# Altium PCB Copy of KaRadioWired.PcbDoc (part 3 of 3)
Units mm, origin at the board's own origin, x right, y up, seen from the top; angles counter-clockwise.
Board outline 90 x 70 mm, 4 copper layers (Top Layer, Signal Layer 1, Signal Layer 2, Bottom Layer), stack 1.49 mm thick; 271 components, 157 nets, 818 pads, 370 vias.
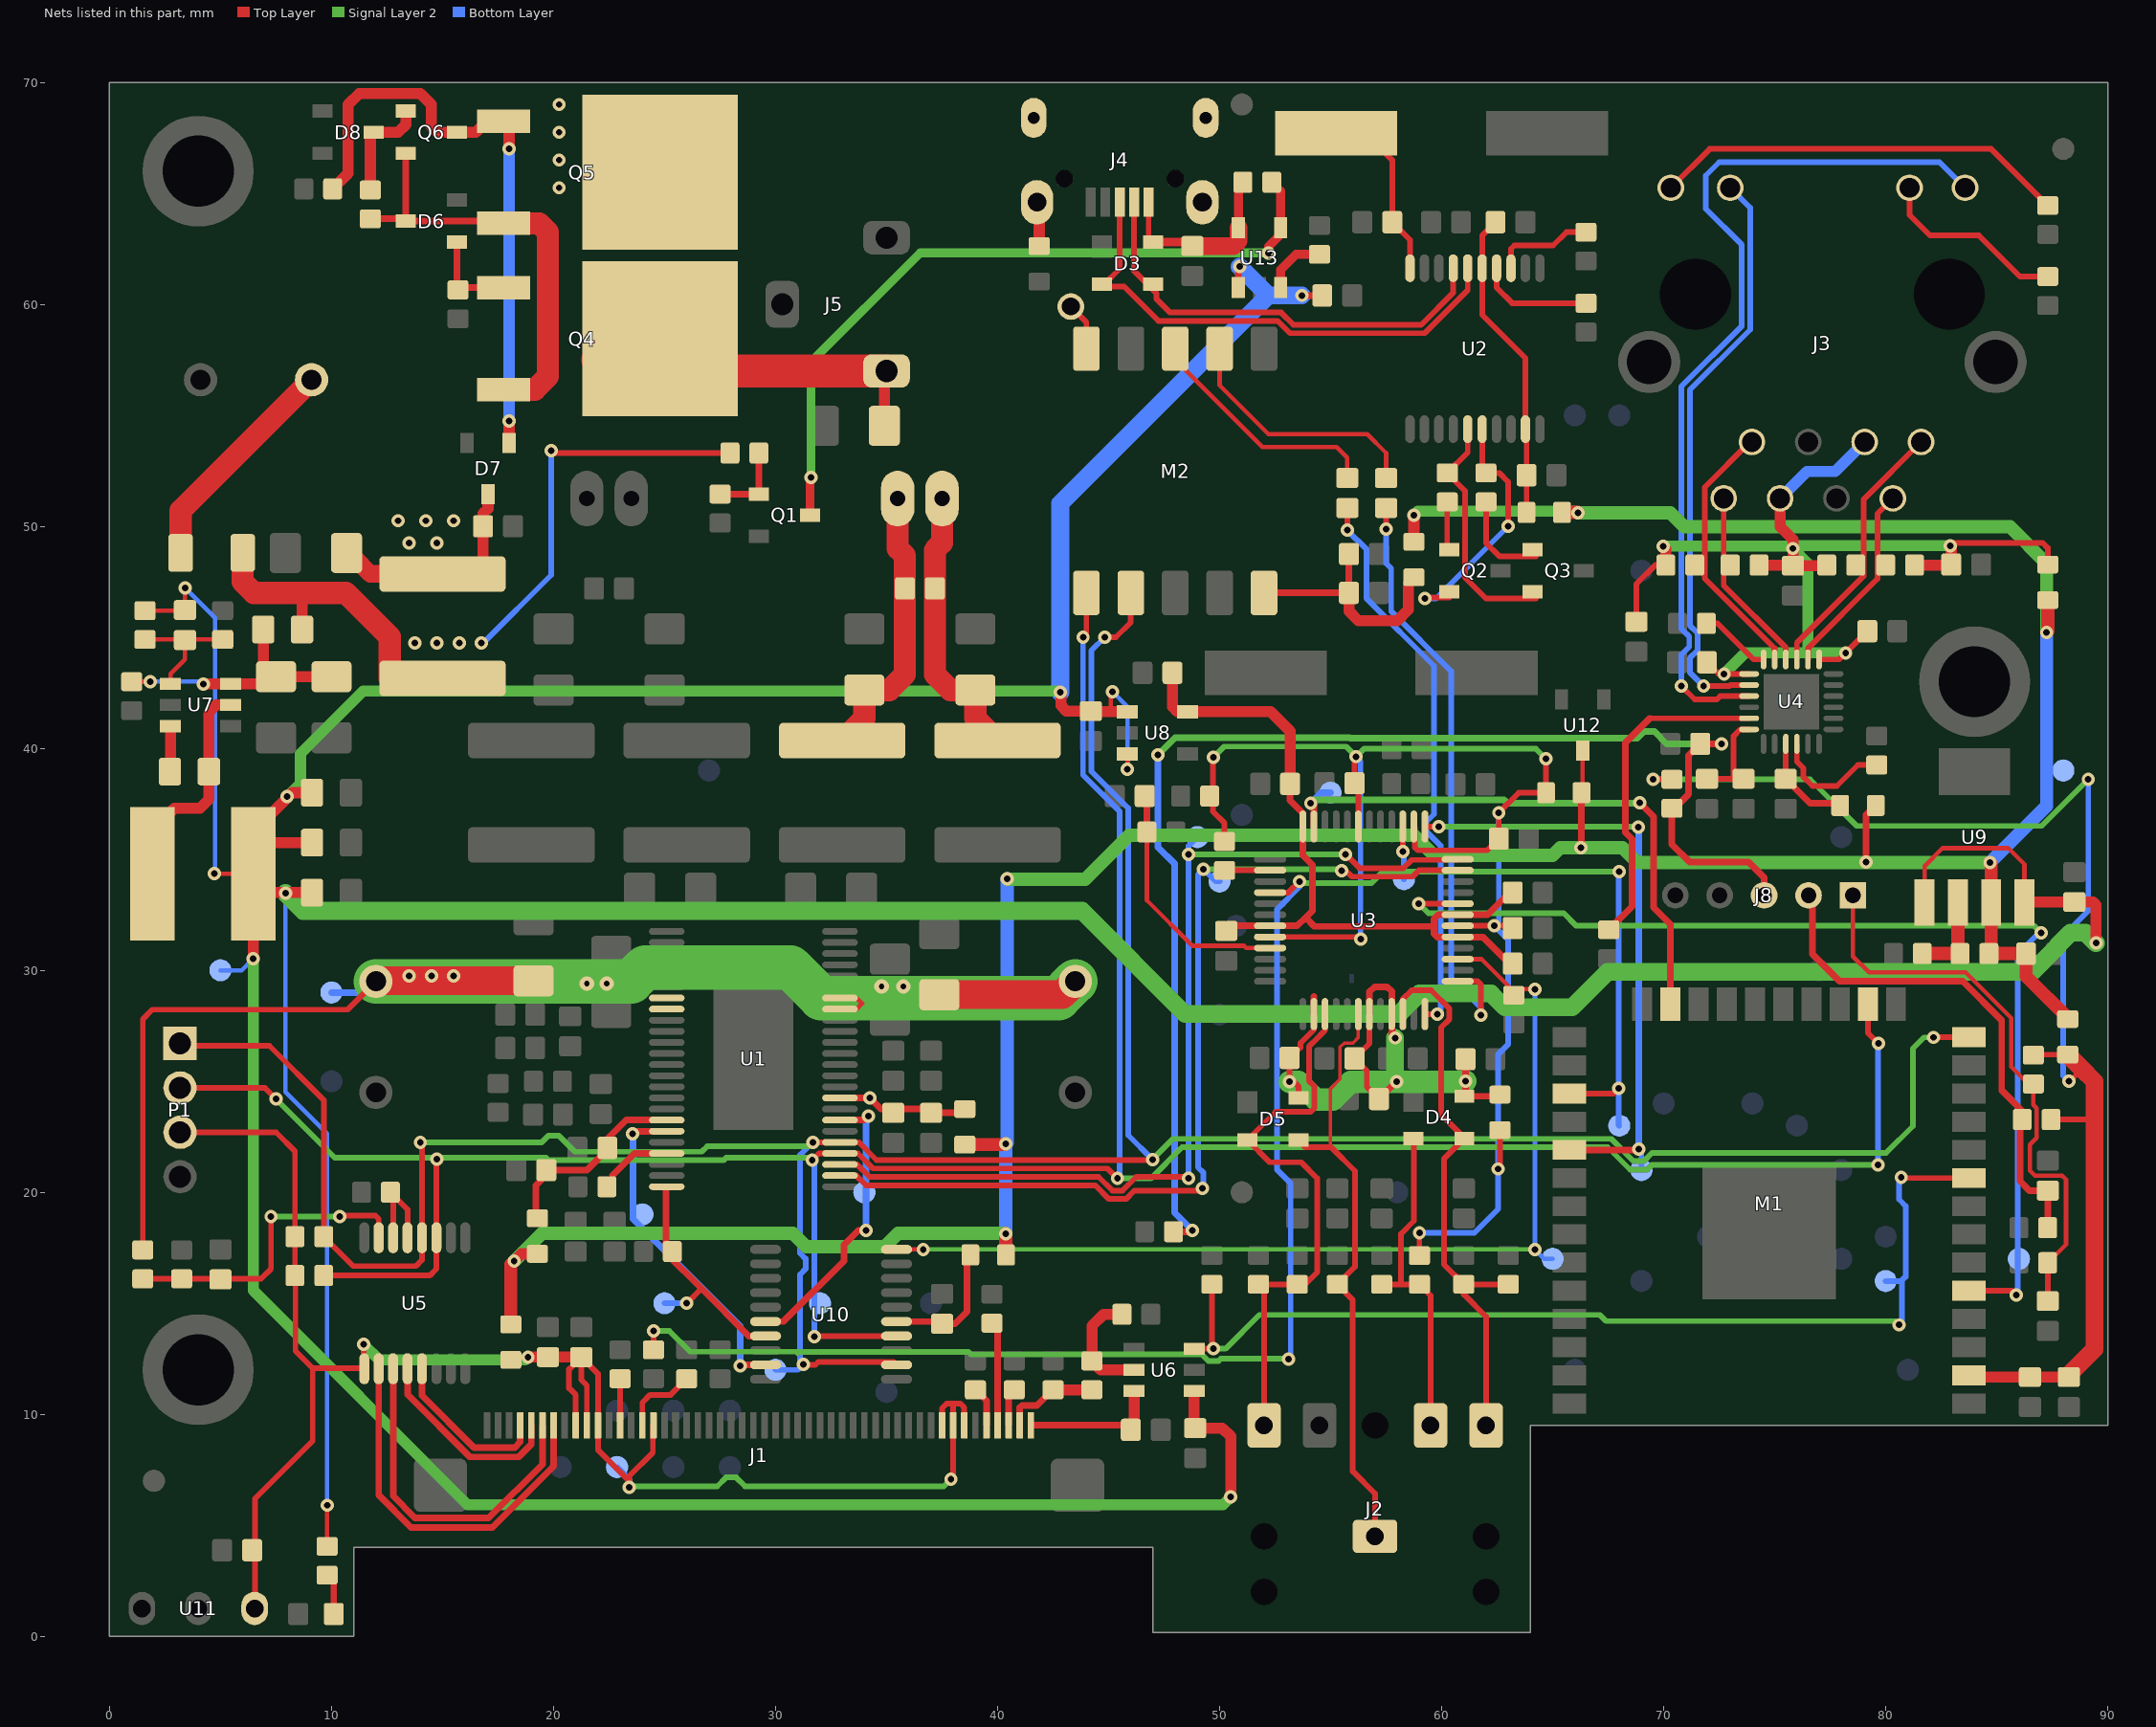
[diagram p5: the nets of this part, all layers, seen from the top]

## Via types
v1: diameter 0.6, hole 0.3, Top Layer to Bottom Layer, tented top, 185 vias
v2: diameter 0.6, hole 0.3, Top Layer to Bottom Layer, tented both sides, 142 vias
v3: diameter 0.5, hole 0.2, Top Layer to Bottom Layer, tented top, 22 vias
v4: diameter 0.65, hole 0.25, Top Layer to Bottom Layer, tented both sides, 21 vias

## Nets (pads, with @x,y where several pads share a name; then routed paths per layer and width w, separated by ;. In a path a pad name is that pad's centre, name@x,y a point inside that pad or via, vN(x,y) a via of type N, cw(c..) or ccw(c..) an arc to the next point about the centre after c; other vN are vias at no path point) (continued)
NetC34_2: C34.2 C82.2 J7.1 L3.2 | length 12.9
  Top Layer w1: L3.2@33,40.35 34,41.35 C34.2@34,42.625 35.125,42.625 35.825,43.325 C82.2@35.825,47.2 35.825,48.675 35.5,49 J7.1@35.5,51.25
NetC35_2: C35.2 C82.1 J7.2 L4.2 | length 12.9
  Top Layer w1: J7.2@37.5,51.25 37.5,49.25 37.175,48.925 C82.1@37.175,47.2 37.175,43.325 37.875,42.625 C35.2@39,42.625 39,41.35 L4.2@40,40.35
NetC36_1: C36.1 C37.2 U4.6 | length 4.4
  Top Layer w0.254: C37.2@71.95,38.625 C36.1@73.152,38.625 ; C36.1@73.6,38.625 C36.1@73.152,38.625 ; U4.6@73.85,40.85 73.45,40.85 73.152,40.552 C36.1@73.152,38.625
NetC38_2: C38.2 U2.10 Y2.2 | length 8.2
  Top Layer w0.254: Y2.2@55.25,67.7 56.575,67.7 57.775,66.5 C38.2@57.775,63.7 58.575,62.9 U2.10@58.575,61.625
NetC62_1: C62.1 M2.8 | length 11
  Top Layer w0.2: M2.8@48,58 48,57.5 51.925,53.575 55.275,53.575 55.75,53.1 C62.1@55.75,52.175
NetC62_2: C62.2 U3.48 | length 25.4
  Top Layer w0.254: v2(55.75,49.825) C62.2@55.75,50.825 ; U3.48@59.25,28.025 v2(59.8,28.025)
  Bottom Layer w0.254: v2(55.75,49.825) 56.623,48.952 56.623,46.741 59.652,43.712 59.652,37.033 59.323,36.704 59.323,36.246 59.952,35.617 59.952,28.177 v2(59.8,28.025)
NetC63_1: C63.1 M2.7 | length 11.5
  Top Layer w0.2: M2.7@50,58 50,56.35 52.2,54.15 56.65,54.15 57.5,53.3 C63.1@57.5,52.175
NetC63_2: C63.2 U3.1 | length 27.1
  Top Layer w0.254: v2(57.5,49.875) C63.2@57.5,50.825 ; U3.1@60.725,29.5 61.625,29.5 61.775,29.35 v2(61.775,27.975)
  Bottom Layer w0.254: v2(57.5,49.875) 57.5,48.331 57.727,48.104 57.727,47.646 57.725,47.644 57.725,46.175 60.425,43.475 60.425,36.706 60.427,36.704 60.427,36.246 60.425,36.244 60.425,29.65 61.775,28.3 v2(61.775,27.975)
NetC67_1: C67.1 U7.6 | length 2.1
  Top Layer w0.5: C67.1@2.725,38.95 2.75,38.975 U7.6@2.75,41
NetC67_2: C67.2 L5.1 U7.2 | length 10.1
  Top Layer w0.5: L5.1@1.925,34.35 1.925,36.3 2.925,37.3 4.075,37.3 4.475,37.7 C67.2@4.475,38.95 4.475,41.625 4.8,41.95 U7.2@5.45,41.95
NetC71_2: C71.2 C72.2 L6.2 R43.2 U7.3 | length 11.7
  Top Layer w0.2: R43.2@1,43 1.75,43 1.753,43.003 v1(1.828,43.003) v1@1.947,43.003
  Top Layer w0.5: v1(4.225,42.9) U7.3@5.45,42.9 7.175,42.9 C71.2@7.5,43.225 ; L6.2@6.925,45.35 6.925,43.8 C71.2@7.5,43.225 ; C72.2@10,43.225 C71.2@7.5,43.225
  Bottom Layer w0.2: v1(1.828,43.003) 4.122,43.003 v1(4.225,42.9)
NetC73_1: C73.1 R39.1 R40.2 U7.4 | length 5.8
  Top Layer w0.2: R39.1@1.6,44.9 C73.1@3.4,44.9 ; U7.4@2.75,42.9 2.75,43.35 3.4,44 C73.1@3.4,44.875 C73.1@3.4,44.9 ; R40.2@5.1,44.9 C73.1@3.4,44.9
NetC79_1: C79.1 R54.1 | length 10.2
  Top Layer w1: R54.1@3.2,48.8 3.2,50.7 C79.1@9.1,56.6
NetC83_2: C83.2 J8.1 R44.1 R47.2 | length 26.2
  Top Layer w0.2: J8.1@78.525,33.375 78.525,30.625 79.25,29.9 83.6,29.9 85.65,27.85 85.65,25.65 86.425,24.875 R44.1@86.65,24.875 86.65,23.931 86.8,23.781 86.8,22.45 86.5,22.15 86.5,20.975 86.725,20.75 87.95,20.75 88.125,20.575 88.125,17.65 R47.2@87.3,16.825
  Top Layer w0.254: C83.2@87.3,15.1 R47.2@87.3,16.825
NetC84_2: C84.2 J8.2 R45.1 R48.2 | length 23.3
  Top Layer w0.3: J8.2@76.525,33.375 76.7,33.2 76.7,30.725 77.92,29.505 81.029,29.505 81.034,29.5 83.47,29.5 85.225,27.745 85.225,24.6 86.15,23.675 R45.1@86.15,23.275 86.05,23.175 86.05,20.5 86.475,20.075 C84.2@87.3,20.075 R48.2@87.3,18.4
NetC85_2: C85.2 J8.3 R46.1 R49.2 | length 60.6
  Top Layer w0.3: R49.2@47.925,18.225 48.725,18.225 v2(48.775,18.275) ; v2(72.6,40.2) C85.2@71.65,40.2 71.125,39.675 71.125,37.925 70.5,37.3 R46.1@70.375,37.3 70.375,35.675 71.175,34.875 73.825,34.875 74.525,34.175 J8.3@74.525,33.375
  Signal Layer 2 w0.3: v2(47.225,39.7) 48.004,40.479 55.865,40.479 55.894,40.45 68.812,40.45 69.112,40.75 69.588,40.75 70.138,40.2 v2(72.6,40.2)
  Bottom Layer w0.3: v2(47.225,39.7) 47.225,35.55 47.975,34.8 47.975,19.075 v2(48.775,18.275)
NetC87_2: C87.2 R55.1 R56.2 U5.15 | length 14.1
  Top Layer w0.25: R55.1@1.5,16.1 6.825,16.1 7.275,16.55 v1(7.275,18.9) ; v1(10.378,18.902) 10.426,18.95 11.975,18.95 12.125,18.8 U5.15@12.125,17.95
  Signal Layer 2 w0.25: v1(7.275,18.9) 7.277,18.902 v1(10.378,18.902)
NetC89_2: C89.2 R58.2 U3.33 | length 11.2
  Top Layer w0.2: R58.2@46.725,36.225 46.725,33.15 48.775,31.1 51.1,31.1 51.2,31 U3.33@52.275,31
  Top Layer w0.3: C89.2@46.625,37.85 46.725,37.75 R58.2@46.725,36.225
NetD1_2: D1.2 R53.1 | length 1.9
  Top Layer w0.3: R53.1@9.8,2.75 10.1,2.45 D1.2@10.1,1
NetD3_2: D3.2 J4.3 U2.6 | length 23.3
  Top Layer w0.254: J4.3@45.5,64.6 45.5,61.6 44.8,60.9 D3.2@44.7,60.9 44.8,60.8 45.7,60.8 47.248,59.252 52.617,59.252 53.169,58.7 59.236,58.7 61.175,60.639 U2.6@61.175,61.625
NetD3_3: D3.3 J4.2 U2.7 | length 20.3
  Top Layer w0.254: J4.2@46.15,64.6 46.15,61.5 47.15,60.5 47.15,60.25 47.769,59.631 52.774,59.631 53.326,59.079 59.079,59.079 60.525,60.525 U2.7@60.525,61.625
NetD4_2: D4.2 J2.4 R4.1 R5.2 | length 15.1
  Top Layer w0.254: R5.2@57.3,15.85 58.175,15.85 ; D4.2@58.75,22.425 58.752,22.423 58.752,18.708 58.175,18.131 58.175,15.85 ; J2.4@59.5,9.5 59.5,15.35 R4.1@59,15.85 58.175,15.85
NetD4_3: D4.3 J2.2 R8.2 R9.1 U3.46 | length 25.8
  Top Layer w0.254: U3.46@58.25,28.025 58.25,28.7 58.65,29.1 59.525,29.1 60.352,28.273 60.352,27.796 59.975,27.419 59.975,23.5 61.025,22.45 D4.3@61.025,22.425 60.1,21.5 60.1,16.75 R8.2@61,15.85 ; J2.2@62,9.5 62,14.4 61,15.4 R8.2@61,15.85 ; R9.1@63,15.85 R8.2@61,15.85
NetD5_2: D5.2 J2.3 R7.2 R10.1 U3.39 | length 25.7
  Top Layer w0.254: J2.3@52,9.5 52,15.6 R10.1@51.75,15.85 R7.2@53.5,15.85 53.85,15.85 54.4,16.4 54.4,20.625 53.675,21.35 52.25,21.35 D5.2@51.25,22.35 52.525,23.625 54.1,23.625 54.275,23.8 54.275,24.769 54.023,25.021 54.023,26.563 54.406,26.946 54.407,26.946 54.629,27.168 54.629,27.169 54.75,27.29 U3.39@54.75,28.025
NetD5_3: D5.3 J2.1 R6.2 U3.42 | length 27.3
  Top Layer w0.15: 55,22.056 55,24.668 55.425,25.093 55.425,26.542 55.608,26.725 56,26.725 56.25,26.975 U3.42@56.25,28.025
  Top Layer w0.254: D5.3@53.55,22.35 53.875,22.025 55.031,22.025 56.1,20.956 56.1,16.65 R6.2@55.3,15.85 56,15.15 56,7.425 57,6.425 J2.1@57,4.5
NetD6_1: D6.1 Q4.1 R34.2 | length 4.1
  Top Layer w0.3: R34.2@15.65,61.05 D6.1@15.65,62.8 ; R34.2@15.7,60.65 15.8,60.75 Q4.1@17.75,60.75 Q4.1@17.6,60.6
NetD6_3: D6.3 Q4.3 Q5.3 Q6.2 R33.2 | length 20
  Top Layer w0.3: R33.2@11.75,63.85 13.25,63.85 D6.3@13.35,63.75 ; Q6.2@13.35,66.8 D6.3@13.35,63.75 ; Q5.3@17.75,63.65 17.65,63.75 D6.3@13.35,63.75
  Top Layer w1: Q4.3@17.75,56.15 19.15,56.15 19.75,56.75 19.75,63.25 19.35,63.65 Q5.3@17.75,63.65
NetD7_1: D7.1 Q5.1 Q6.3 R35.2 | length 27.5
  Top Layer w0.5: R35.2@10,65.15 10.75,65.9 10.75,69 11.25,69.5 14,69.5 14.5,69 14.5,68 14.75,67.75 Q6.3@15.65,67.75 16.5,67.75 17,68.25 Q5.1@17.75,68.25 18,68 v1(18,67) ; D7.1@18,53.75 v1(18,54.75)
  Bottom Layer w0.5: v1(18,54.75) v1(18,67)
NetD8_3: D8.3 Q6.1 R33.1 | length 4.9
  Top Layer w0.5: R33.1@11.75,65.15 11.75,67.6 D8.3@11.9,67.75 13,67.75 13.35,68.1 Q6.1@13.35,68.7
NetJ1_2: J1.2 R18.2 R22.2 | length 4.4
  Top Layer w0.3: J1.2@41,9.5 41,10.3 41.1,10.4 41.775,10.4 42.475,11.1 R18.2@42.5,11.1
  Top Layer w0.5: R18.2@42.5,11.1 R22.2@44.25,11.1
NetJ1_3: J1.3 R19.2 | length 1.7
  Top Layer w0.3: J1.3@40.5,9.5 40.5,10.85 R19.2@40.75,11.1
NetJ1_4: J1.4 R20.2 | length 4.7
  Top Layer w0.3: R20.2@39.75,14.1 40,13.85 J1.4@40,9.5
NetJ1_5: J1.5 R21.2 | length 1.8
  Top Layer w0.3: R21.2@39,11.1 39.5,10.6 J1.5@39.5,9.5
NetJ1_36: J1.36 R29.2 | length 3.5
  Top Layer w0.254: J1.36@24,9.5 24,10.525 24.35,10.875 25.275,10.875 R29.2@26,11.6
NetJ1_38: J1.38 R32.2 | length 2.1
  Top Layer w0.254: J1.38@23,9.5 R32.2@23,11.6
NetJ1_44: J1.44 U5.2 | length 17.2
  Top Layer w0.3: U5.2@12.125,12.05 12.125,6.361 13.586,4.9 17.251,4.9 20,7.649 J1.44@20,9.5
NetJ1_45: J1.45 U5.3 | length 15.6
  Top Layer w0.3: U5.3@12.775,12.05 12.775,6.312 13.762,5.325 17.075,5.325 19.5,7.75 J1.45@19.5,9.5
NetJ1_46: J1.46 U5.4 | length 9
  Top Layer w0.3: U5.4@13.425,12.05 13.425,10.888 16.238,8.075 18.426,8.075 19,8.649 J1.46@19,9.5
NetJ1_47: J1.47 U5.5 | length 7.5
  Top Layer w0.3: U5.5@14.075,12.05 14.075,10.839 16.414,8.5 18.25,8.5 18.5,8.75 J1.47@18.5,9.5
NetJ3_1: J3.1 R15.1 U4.21 | length 12.1
  Top Layer w0.254: U4.21@76,44 76,44.75 79,47.75 79,51.205 J3.1@81.595,53.8
NetJ3_2: J3.2 R16.1 U4.20 | length 8.8
  Top Layer w0.254: U4.20@76.5,44 76.5,44.5 79.629,47.629 79.629,50.564 J3.2@80.325,51.26
NetJ3_7: J3.7 R13.1 U4.23 | length 12
  Top Layer w0.254: J3.7@73.975,53.8 73.893,53.8 71.853,51.76 71.853,47.647 75,44.5 U4.23@75,44
NetJ3_8: J3.8 R14.1 U4.22 | length 8.4
  Top Layer w0.254: J3.8@72.705,51.26 72.705,47.331 75.5,44.536 U4.22@75.5,44
NetJ3_9: J3.9 U4.3 | length 40.9
  Top Layer w0.254: v1(70.8,42.8) 71.4,42.2 72.4,42.2 72.55,42.35 U4.3@73.85,42.35
  Bottom Layer w0.254: v1(70.8,42.8) 70.8,44.219 71.152,44.571 71.152,45.029 70.8,45.381 70.8,56.3 73.521,59.021 73.521,62.679 71.9,64.3 71.9,65.8 72.5,66.4 82.425,66.4 J3.9@83.575,65.25
NetJ3_10: J3.10 R63.2 | length 8.6
  Top Layer w0.254: J3.10@81.075,65.25 81.075,64.025 82,63.1 84.2,63.1 86.05,61.25 R63.2@87.3,61.25
NetJ3_11: J3.11 U4.2 | length 26.6
  Top Layer w0.254: v1(71.8,42.8) 71.802,42.798 72.954,42.798 73.006,42.85 U4.2@73.85,42.85
  Bottom Layer w0.254: v1(71.8,42.8) 71.179,43.421 71.179,44.062 71.531,44.414 71.531,45.186 71.179,45.538 71.179,56.143 73.9,58.864 73.9,64.35 J3.11@73,65.25
NetJ3_12: J3.12 R64.2 | length 18.8
  Top Layer w0.254: J3.12@70.325,65.25 72.075,67 84.75,67 R64.2@87.3,64.45
NetJ4_Shell: J4.Shell L18.1 | length 2
  Top Layer w0.5: J4.Shell@41.775,64.6 41.875,64.5 L18.1@41.875,62.625
NetM2_10: M2.10 P2.1 | length 2.2
  Top Layer w0.254: P2.1@43.3,59.9 44,59.2 M2.10@44,58
NetQ1_1: Q1.1 R60.1 R62.1 | length 3.6
  Top Layer w0.3: R62.1@27.5,51.45 Q1.1@29.25,51.45 R60.1@29.25,53.3
NetQ1_3: Q1.3 R59.1 U13.4 | length 33.2
  Top Layer w0.4: Q1.3@31.55,50.5 31.55,52.15 v1(31.6,52.2) ; v1(52.2,62.3) 52.2,62.6 52.75,63.15 U13.4@52.75,63.45 52.75,65.1 R59.1@52.35,65.5
  Signal Layer 2 w0.4: v1(31.6,52.2) 31.6,57.4 36.525,62.325 52.175,62.325 v1(52.2,62.3)
NetQ2_1: Q2.1 R26.1 | length 2.3
  Top Layer w0.254: Q2.1@60.25,48.8 R26.1@60.25,51.1
NetQ2_2: Q2.2 R27.2 U2.16 | length 11.4
  Top Layer w0.254: v1(59.25,46.75) 59.3,46.8 Q2.2@60.35,46.8 ; U2.16@61.825,54.375 61.825,52.575 R27.2@62,52.4 62.6,52.4 63,52 v1(63,50)
  Bottom Layer w0.254: v1(59.25,46.75) 59.75,46.75 v1(63,50)
NetQ3_1: Q3.1 R27.1 | length 4.3
  Top Layer w0.254: R27.1@62,51.1 62,49.25 62.6,48.65 64.25,48.65
NetQ3_2: Q3.2 R26.2 U2.15 | length 11
  Top Layer w0.254: U2.15@61.175,54.375 61.175,53.325 R26.2@60.25,52.4 61.052,51.598 61.052,47.698 62,46.75 64.25,46.75
NetR3_2: R3.2 U1.21 | length 2.9
  Top Layer w0.3: 22.65,20.75 23.65,21.75 U1.21@25.1,21.75
NetR12_1: R12.1 U3.26 | length 2.1
  Top Layer w0.254: R12.1@50.225,34.5 U3.26@52.275,34.5
NetR17_2: R17.2 U4.24 | length 3.2
  Top Layer w0.254: R17.2@71.925,45.625 72.425,45.625 74.05,44 U4.24@74.5,44
NetR22_1: R22.1 R23.2 U6.5 | length 5.2
  Top Layer w0.5: R23.2@45.6,14.5 44.775,14.5 44.25,13.975 R22.1@44.25,12.4 44.65,12 U6.5@46.15,12
NetR24_1: R24.1 U2.3 | length 4.6
  Top Layer w0.254: U2.3@63.125,61.625 63.125,62.5 63.275,62.65 65.025,62.65 65.625,63.25 R24.1@66.5,63.25
NetR25_1: R25.1 U2.4 | length 5.2
  Top Layer w0.254: U2.4@62.475,61.625 62.475,60.75 63.175,60.05 R25.1@66.5,60.05
NetR31_2: R31.2 U4.5 | length 15
  Top Layer w0.25: 69.375,41.35 U4.5@73.85,41.35
  Top Layer w0.3: R31.2@67.525,31.825 68.575,32.875 68.575,35.912 68.275,36.212 68.275,40.25 69.375,41.35
NetR36_1: R36.1 U5.13 U5.14 | length 4.3
  Top Layer w0.254: R36.1@12.65,20 R36.1@12.775,19.875 ; U5.14@12.775,17.95 R36.1@12.775,19.875 ; U5.13@13.425,17.95 13.425,19.225 R36.1@12.775,19.875
NetR41_1: R41.1 R42.2 U9.2 | length 4
  Top Layer w0.6: R42.2@81.65,30.75 R41.1@83.35,30.75 83.25,30.85 U9.2@83.25,33.05
NetR61_2: R61.2 U13.3 | length 2.8
  Top Layer w0.4: U13.3@52.75,60.75 52.75,61.55 53.45,62.25 R61.2@54.5,62.25
NetR65_2: R65.2 U4.10 | length 5.5
  Top Layer w0.254: U4.10@76,40.2 76,39.4 76.3,39.1 76.3,38.7 76.7,38.3 77.8,38.3 78.75,39.25 R65.2@79.6,39.25
NetTP1_1: TP1.1 U3.15 | length 2.4
  Top Layer w0.254: v2(58.25,35.35) U3.15@58.25,36.475
  Bottom Layer w0.254: v2(58.25,35.35) 58.3,35.3 TP1.1@58.3,34.1
PWM_LCD: M1.9 R52.2 TP17.1 U6.3 | length 46.2
  Top Layer w0.254: U6.3@48.85,12.95 v1(49.725,12.95) 49.65,13.025 R52.2@49.65,15.85 ; v2(80.7,20.675) 80.735,20.64 M1.9@83.75,20.64
  Signal Layer 2 w0.254: v1(49.725,12.95) 50.267,12.95 51.794,14.477 67.129,14.477 67.408,14.198 80.427,14.198 v1(80.6,14.025)
  Bottom Layer w0.254: TP17.1@80,16 80.702,16 80.898,16.196 80.898,19.383 80.6,19.681 80.6,20.575 v2(80.7,20.675) ; v1(80.6,14.025) 80.727,14.152 80.727,15.975
SCL: M1.14 M2.2 P1.1 R37.1 TP9.1 U1.29 U5.12 U10.2 | length 143.8
  Top Layer w0.254: P1.1@3.175,26.7 3.275,26.6 7.2,26.6 9.65,24.15 R37.1@9.65,18 10.975,16.675 13.8,16.675 14.075,16.95 U5.12@14.075,17.95 14.075,22.175 v1(14,22.25) ; v1(31.25,12.25) 31.275,12.225 31.794,12.225 31.921,12.352 35.323,12.352 U10.2@35.45,12.225 ; v1(31.675,22.25) U1.29@32.9,22.25 33.75,22.25 34.55,21.45 46.95,21.45 v1(46.975,21.475) ; v1(44.825,45) 45.325,45 46,45.675 M2.2@46,47 ; v2(82.15,26.975) 82.165,26.99 M1.14@83.75,26.99
  Signal Layer 2 w0.254: v1(14,22.25) 19.469,22.25 19.771,22.552 20.229,22.552 20.958,21.823 26.679,21.823 26.929,22.073 31.498,22.073 v1(31.675,22.25) ; v1(46.975,21.475) 47.906,22.406 67.638,22.406 68.646,21.398 69.104,21.398 69.485,21.779 80.025,21.779 81.225,22.979 81.225,26.475 81.725,26.975 v2(82.15,26.975)
  Bottom Layer w0.254: TP9.1@30,12 31,12 v1(31.25,12.25) 31.098,12.402 31.098,16.292 31.352,16.546 31.352,17.004 31.098,17.258 31.098,21.679 31.669,22.25 v1(31.675,22.25) ; v1(44.825,45) 44.229,44.404 44.229,38.957 45.881,37.305 45.881,22.569 v1(46.975,21.475)
SCLK: TP7.1 U1.26 U3.11 | length 44.3
  Top Layer w0.254: U1.26@32.9,20.75 33.636,20.75 34.073,20.313 44.395,20.313 45.014,19.694 45.786,19.694 46.165,20.073 49.123,20.073 v1(49.225,20.175) ; v1@55.497,34.478 v1(55.505,34.478) 55.505,34.48 55.6,34.575 55.956,34.219 58.694,34.219 58.975,34.5 U3.11@60.725,34.5
  Signal Layer 2 w0.254: v1(49.275,34.55) 49.277,34.552 55.431,34.552 v1(55.505,34.478)
  Bottom Layer w0.254: v1(49.225,20.175) 49.275,20.225 49.275,20.875 49.025,21.125 49.025,34.3 v1(49.275,34.55) 49.825,34 TP7.1@50,34
SDA: M1.16 M2.1 P1.2 R38.1 TP10.1 U1.28 U5.11 U10.4 | length 136.1
  Top Layer w0.254: P1.2@3.175,24.7 7,24.7 v2(7.5,24.2) ; R38.1@9.65,16.25 14.425,16.25 14.725,16.55 U5.11@14.725,17.95 14.725,21.475 v1(14.75,21.5) ; v1(31.65,21.45) 31.898,21.698 31.904,21.698 31.956,21.75 U1.28@32.9,21.75 33.711,21.75 34.39,21.071 44.954,21.071 v1(45.4,20.625) ; v1(31.75,13.5) 31.775,13.525 U10.4@35.45,13.525 ; v1(43.85,45) 44,45.15 M2.1@44,47 ; M1.16@79.195,28.48 79.195,27.18 v2(79.675,26.7)
  Signal Layer 2 w0.254: v2(7.5,24.2) 10.148,21.552 19.667,21.552 19.775,21.444 27.663,21.444 27.771,21.552 31.548,21.552 v1(31.65,21.45) ; v1(45.4,20.625) 46.906,20.625 48.308,22.027 67.481,22.027 68.489,21.019 69.261,21.019 69.469,21.227 v2(79.657,21.227)
  Bottom Layer w0.254: v1(31.65,21.45) 31.75,21.35 v1(31.75,13.5) ; v1(43.85,45) 43.85,38.8 45.502,37.148 45.502,20.727 v1(45.4,20.625) ; v2(79.657,21.227) 79.657,26.682 v2(79.675,26.7)
SDATA: TP8.1 U1.27 U3.12 | length 44.6
  Top Layer w0.254: U1.27@32.9,21.25 33.675,21.25 34.233,20.692 44.552,20.692 45.171,20.073 45.629,20.073 46.248,20.692 48.533,20.692 v1(48.6,20.625) ; v1(55.675,35.225) 56.302,34.598 58.279,34.598 58.652,34.971 60.696,34.971 U3.12@60.725,35
  Signal Layer 2 w0.254: v1(48.6,35.225) v1(55.675,35.225)
  Bottom Layer w0.254: v1(48.6,20.625) v1(48.6,35.225) 48.6,35.6 TP8.1@49,36
SPI_SCLK: M1.27 R30.1 TP14.1 U3.28 | length 82.3
  Top Layer w0.254: R30.1@24.5,12.9 v1(24.5,13.75) ; U3.28@52.275,33.5 53.1,33.5 v1(53.6,34) ; M1.27@65.75,24.45 67.75,24.45 v1(67.975,24.675)
  Signal Layer 2 w0.254: v1(24.5,13.75) 25.219,13.75 26.15,12.819 30.931,12.819 30.985,12.765 31.021,12.802 38.692,12.802 38.796,12.698 49.196,12.698 49.496,12.398 49.954,12.398 50.056,12.5 53.1,12.5 v1(53.1,12.475) ; v1(53.6,34) 53.674,33.926 56.84,33.926 57.364,34.45 v1(68,34.45)
  Bottom Layer w0.254: v1@53.119,12.475 53.202,12.558 53.202,20.404 52.594,21.012 52.594,32.75 53.6,33.756 v1(53.6,34) ; TP14.1@68,23 67.975,23.025 v1(67.975,24.675) 67.975,34.425 v1(68,34.45)
TAS_nFAULT: TP3.1 U1.19 U10.19 | length 15.2
  Top Layer w0.3: v2(23.55,22.625) 23.675,22.75 U1.19@25.1,22.75 ; v2(28.4,12.175) 28.45,12.225 U10.19@29.55,12.225
  Bottom Layer w0.3: v2(23.55,22.625) 23.575,22.6 23.575,18.8 28.4,13.975 v2(28.4,12.175)
TAS_nPDN: R50.1 TP4.1 U1.24 U10.17 | length 11
  Top Layer w0.254: v1(26,15) 26.65,15.65 26.675,15.65
  Top Layer w0.3: U1.24@25.1,20.25 25.075,20.225 25.075,17.25 26.675,15.65 28.8,13.525 U10.17@29.55,13.525
  Bottom Layer w0.254: TP4.1@25,15 v1(26,15)
TAS_nRST: TP2.1 U1.31 U10.16 | length 13.2
  Top Layer w0.3: U10.16@29.55,14.175 30.344,14.175 33.075,16.906 33.075,17.625 33.725,18.275 v2(34.075,18.275) ; U1.31@32.9,23.25 34,23.25 v2(34.175,23.425)
  Bottom Layer w0.3: v2(34.075,18.275) 34.075,23.325 v2(34.175,23.425)
VCC_1V8_VS: C52.2 C53.2 C54.2 C55.2 C75.2 U3.5 U3.7 U3.24 U3.31 U8.5 | length 34.8
  Top Layer w0.3: C54.2@50.3,31.775 50.525,32 U3.31@52.275,32 53.5,32 53.875,32.375 ; C55.2@53.175,38.4 53.175,37.645 53.75,37.07 U3.24@53.75,36.475 53.75,35.175 54.175,34.75 54.175,32.675 53.875,32.375 ; C53.2@63.2,30.3 63.05,30.3 61.85,31.5 U3.5@60.725,31.5 59.8,31.5 59.65,31.65 59.65,31.975 ; C52.2@63.2,33.5 63.062,33.5 62.062,32.5 U3.7@60.725,32.5 59.85,32.5 59.65,32.3 59.65,31.975 ; 53.875,32.375 54.275,31.975 59.65,31.975
  Top Layer w0.5: C75.2@47.875,43.4 47.875,41.875 48.1,41.65 U8.5@48.55,41.65 52.3,41.65 53.175,40.775 C55.2@53.175,38.4
VCC_3V3: C78.2 L8.1 L10.1 L11.1 L12.1 L13.1 L14.1 L15.1 L16.1 L17.1 L19.1 R41.2 TP18.1 U9.3 U12.3 | length 156.2
  Top Layer w0.2: L14.1@66.3,38 66.35,38.05 U12.3@66.35,39.9
  Top Layer w0.3: v2(66.275,35.525) 66.3,35.55 L14.1@66.3,38 ; v2(79.125,34.875) 79.125,37 L17.1@79.55,37.425
  Top Layer w0.5: v2@18.075,16.75 v2(18.225,16.9) 18.55,17.225 L8.1@19.275,17.225 ; L19.1@58.75,49.3 v1(58.75,50.5)
  Top Layer w0.6: L10.1@18.075,14.05 v2@18.075,16.75 ; L13.1@38.525,22.15 40.35,22.15 v2(40.375,22.175) ; L11.1@40.375,17.175 v2(40.375,18.125) ; L15.1@65.425,50.625 66.125,50.625 v2(66.15,50.6) ; v2(84.7,34.85) 84.75,34.8 U9.3@84.75,33.05 84.75,30.85 R41.2@84.65,30.75 C78.2@86.325,30.75 86.325,29.725 L12.1@88.25,27.8 ; v2(87.25,45.225) 87.3,45.275 L16.1@87.3,46.675
  Signal Layer 2 w0.5: v1(58.75,50.5) 58.925,50.675 66.075,50.675 v2(66.15,50.6)
  Signal Layer 2 w0.6: v2(18.225,16.9) 19.475,18.15 30.775,18.15 31.375,17.55 34.925,17.55 35.525,18.15 40.35,18.15 v2(40.375,18.125) ; v2(40.425,34.125) 40.45,34.1 43.95,34.1 45.925,36.075 58.75,36.075 59.65,35.175 65,35.175 65.35,35.525 v2(66.275,35.525) 68.15,35.525 68.825,34.85 v2(84.7,34.85) ; v2(66.15,50.6) 70.3,50.6 70.925,49.975 85.6,49.975 87.25,48.325 v2(87.25,45.225)
  Bottom Layer w0.6: v2(40.375,18.125) v2(40.375,22.175) 40.425,22.225 v2(40.425,34.125) ; v2(84.7,34.85) 87.25,37.4 v2(87.25,45.225)
VCC_3V3_ETH: C43.1 L17.2 U4.9 | length 4.5
  Top Layer w0.254: C43.1@75.5,38.625 U4.9@75.5,40.2
  Top Layer w0.3: C43.1@75.5,38.625 76.6,37.525 77.85,37.525 L17.2@77.95,37.425
VCC_3V3_ETHA: C31.1 C44.2 C45.1 C46.1 C47.1 J3.3 J3.6 L16.2 R13.2 R14.2 R15.2 R16.2 U4.1 U4.19 | length 52
  Top Layer w0.254: C44.2@68.775,45.7 68.775,47.4 69.625,48.25 R13.2@70.1,48.25 ; C46.1@71.95,43.875 72.475,43.35 v2(72.725,43.35) U4.1@73.85,43.35 ; U4.19@77,44 77.9,44 v2(78.2,44.3) C45.1@79.175,45.275 ; v2(82.9,49.125) 83.025,49.25 87.075,49.25 87.3,49.025 L16.2@87.3,48.275
  Top Layer w0.5: v2(69.975,49.1) 70.1,48.975 R13.2@70.1,48.25 ; R14.2@74.3,48.25 75.8,48.25 C31.1@75.825,48.225 ; J3.6@75.245,51.26 75.245,49.98 75.825,49.4 v2(75.825,49) C31.1@75.825,48.225 ; R15.2@77.35,48.25 77.325,48.225 C31.1@75.825,48.225 ; R16.2@81.3,48.25 82.925,48.25 C47.1@82.95,48.275 82.95,49.075 v2(82.9,49.125)
  Signal Layer 2 w0.5: v2(69.975,49.1) 75.725,49.1 v2(75.825,49) ; v2(72.725,43.35) 73.675,44.3 76.5,44.3 ; v2(78.2,44.3) 76.5,44.3 ; v2(82.9,49.125) 75.95,49.125 v2(75.825,49) ; v2(75.825,49) 76.5,48.325 76.5,44.3
  Bottom Layer w0.5: J3.6@75.245,51.26 76.46,52.475 77.73,52.475 J3.3@79.055,53.8
VCC_3V3_TAS: C9.2 C10.2 L13.2 U1.33 | length 5.9
  Top Layer w0.3: U1.33@32.9,24.25 v1(34.25,24.25) 34.75,23.75 C10.2@37,23.75 ; C10.2@37,23.575 38.35,23.575 L13.2@38.525,23.75
VCC_3V3_TEA: C60.2 C61.2 L19.2 M2.5 | length 11
  Top Layer w0.3: M2.5@52,47 C60.2@55.825,47 C61.2@55.825,48.75
  Top Layer w0.5: C60.2@55.825,47 55.825,46.175 56.25,45.75 58,45.75 58.5,46.25 58.5,47.45 L19.2@58.75,47.7
VCC_3V3_VS: C57.2 C58.2 C76.2 L9.1 L14.2 R4.2 R12.2 R57.2 U3.6 U3.14 U3.19 U3.32 | length 73.4
  Top Layer w0.254: v2(49.725,39.6) 49.7,39.575 49.7,37.15 50.225,36.625 R12.2@50.225,35.8 ; U3.32@52.275,31.5 56.325,31.5 56.35,31.475 v2(56.35,31.4) ; v2(56.15,39.625) 56.075,39.55 C57.2@56.075,38.425 56.25,38.25 U3.19@56.25,36.475 ; U3.14@58.75,36.475 58.802,36.423 58.802,35.523 58.925,35.4 59.981,35.4 59.983,35.402 61.467,35.402 61.469,35.4 62.05,35.4 C58.2@62.575,35.925 v2(62.575,37.1) 63.475,38 L14.2@64.7,38 v2(64.7,39.525) ; R4.2@59,17.15 v1(59,18.175) ; U3.6@60.725,32 v1(62.375,32) 63.1,32 C76.2@63.2,31.9 ; v2(62.55,21.05) 62.625,21.125 L9.1@62.625,22.8
  Signal Layer 2 w0.254: v2(49.725,39.6) 50.202,40.077 55.698,40.077 v2(56.15,39.625) 56.502,39.977 64.248,39.977 v2(64.7,39.525)
  Bottom Layer w0.254: v2(56.15,39.625) 56.35,39.425 v2(56.35,31.4) ; v1(59,18.175) 61.475,18.175 62.55,19.25 v2(62.55,21.05) 62.55,26.219 63.002,26.671 63.002,31.373 v1(62.375,32) 62.575,32.2 v2(62.575,37.1)
VCC_3V3_VSA: C48.2 C49.2 C50.2 C51.2 D4.4 D5.4 L9.2 U3.38 U3.43 U3.45 | length 29.1
  Top Layer w0.25: U3.43@56.75,28.025 56.75,26.7 C50.2@56.075,26.025 56.625,25.475 56.625,24.75 C51.2@57.175,24.2
  Top Layer w0.254: v2@53.15,25.175 C49.2@53.15,26.05 53.175,26.05 53.644,26.519 53.644,26.72 54.249,27.325 54.25,27.325 U3.38@54.25,28.025 ; v2@53.25,25.075 53.55,24.775 D5.4@53.55,24.25
  Top Layer w0.3: U3.38@54.25,28.025 54.25,28.812 ; U3.43@56.75,28.025 56.75,29.025 56.975,29.25 57.55,29.25 57.75,29.05 U3.45@57.75,28.025 57.75,27.1 57.897,26.953 v1(57.906,26.953) v1@57.983,26.875 ; C51.2@57.175,24.2 v2@57.963,24.988 ; C48.2@61.075,26 v1(61.075,25) 61.075,24.375 D4.4@61.025,24.325 62.55,24.325 L9.2@62.625,24.4
  Signal Layer 2 w0.8: v1(57.906,26.953) 57.906,25.044 v2(57.975,24.975)
  Signal Layer 2 w1: v2(53.15,24.975) 53.542,24.975 54.342,24.175 55.108,24.175 55.908,24.975 v2(57.975,24.975) 61.05,24.975 v1(61.075,25)
VCC_3V3A_TAS: C11.2 C12.2 L8.2 U1.18 | length 8.8
  Top Layer w0.3: L8.2@19.2,19.075 19.2,20.3 19.675,20.775 C11.2@19.675,21 21.5,21 22.425,21.925 C12.2@22.425,22 22.425,22.4 23.275,23.25 U1.18@25.1,23.25
VCC_5V: C64.2 C68.2 C69.2 C70.2 C73.2 C74.2 C77.2 C91.2 L5.2 R39.2 R53.2 TP35.1 U6.1 U8.1 U8.3 U9.1 U9.4 U13.1 | length 307
  Top Layer w0.2: R39.2@1.6,46.2 3.375,46.2 C73.2@3.4,46.225 v1(3.4,47.225) ; v1@4.7,34.325 v1(4.725,34.35) L5.2@6.475,34.35 ; R53.2@9.8,4.05 v1(9.8,5.9) ; 45.1,41.65 45.1,42.475 v1(45.175,42.55) ; v1(45.85,39.05) U8.3@45.85,39.75 ; U9.1@81.75,33.05 81.75,34.7 82.55,35.5 85.525,35.5 86.25,34.775 U9.4@86.25,33.05
  Top Layer w0.3: U13.1@50.85,60.75 50.85,61.65 v1(50.9,61.7) ; v1(53.7,60.4) C91.2@54.625,60.4
  Top Layer w0.5: v2(6.475,30.525) L5.2@6.475,34.35 ; v2@8.025,37.8 6.475,36.25 L5.2@6.475,35.75 ; v2@8.225,38 C70.2@9.125,38 ; C68.2@9.125,33.5 7.325,33.5 L5.2@6.475,34.35 ; C69.2@9.125,35.75 L5.2@6.475,35.75 ; v2(42.825,42.525) 42.85,42.5 42.85,41.925 43.1,41.675 C74.2@44.2,41.675 44.225,41.65 45.1,41.65 U8.1@45.85,41.65 ; U6.1@48.85,11.05 48.85,9.425 C64.2@48.9,9.375 50.125,9.375 50.5,9 v2(50.5,6.275) ; U9.4@86.25,33.05 86.275,33.075 C77.2@88.5,33.075 89.35,33.075 89.475,32.95 v2(89.475,31.225) ; L5.2@6.475,34.35 L5.2@6.475,35.75
  Signal Layer 2 w0.5: v2(6.475,30.525) 6.475,15.575 16.125,5.925 50.15,5.925 v2(50.5,6.275) ; v2(8,37.825) 8.6,38.425 8.6,39.75 11.425,42.575 42.775,42.575 v2(42.825,42.525)
  Signal Layer 2 w0.8: v2(7.925,33.475) 8.725,32.675 43.8,32.675 48.45,28.025 58.075,28.025 59,28.95 62.225,28.95 62.85,28.325 65.875,28.325 67.475,29.925 86.6,29.925 87.725,31.05 87.725,31.092 88.333,31.7 89,31.7 v2(89.475,31.225)
  Bottom Layer w0.2: v1(3.4,47.225) 4.75,45.875 4.75,34.375 v1(4.725,34.35) ; TP35.1@5,30 5.95,30 v2(6.475,30.525) ; v2(7.925,33.475) 7.925,24.517 9.8,22.642 v1(9.8,5.9) ; v1(45.175,42.55) 45.85,41.875 v1(45.85,39.05)
  Bottom Layer w0.8: v2(42.825,42.525) 42.825,51.025 52.2,60.4 ; v1(50.9,61.7) 52.2,60.4 ; v1(53.7,60.4) 52.2,60.4
VCC_20V: C1.1 C2.1 C4.2 C5.2 L6.1 L7.2 R54.2 R55.2 R60.2 TP36.1 U1.7 U1.8 U1.41 U1.42 | length 102.8
  Top Layer w0.2: U1.41@32.9,28.25 33.65,28.25 33.9,28.5 33.65,28.75 U1.42@32.9,28.75
  Top Layer w0.25: R55.2@1.5,17.4 1.5,27.8 1.925,28.225 10.725,28.225 C1.1@12,29.5 ; v1(19.9,53.4) 20,53.3 R60.2@27.95,53.3
  Top Layer w0.5: L6.1@8.675,45.35 8.675,46.875 8.8,47
  Top Layer w1: R54.2@6,48.8 6,47.5 6.5,47 8.8,47 10.65,47 12.625,45.025 L7.2@12.625,43.15
  Top Layer w1.3: C1.1@12,29.5 12.025,29.525 C4.2@19.1,29.525 ; C5.2@37.375,28.9 42.9,28.9 C2.1@43.5,29.5
  Signal Layer 2 w2: C1.1@12,29.5 23.5,29.5 24.125,30.125 30.67,30.125 32.045,28.75 42.75,28.75 C2.1@43.5,29.5
  Bottom Layer w0.25: v1(16.75,44.75) 16.85,44.75 19.9,47.8 v1(19.9,53.4)
  Bottom Layer w0.3: TP36.1@10,29 11.5,29 C1.1@12,29.5
  other v1: 13.5,29.75 14.5,29.75 15.5,29.75 13.75,44.75 14.75,44.75 15.75,44.75
  other v4: 34.775,29.275 35.75,29.275 21.5,29.4 22.4,29.4
VCC_20V_IN: C65.2 C66.2 D7.3 L7.1 Q5.2 | length 9.7
  Top Layer w0.5: L7.1@15,47.85 16.6,47.85 16.825,48.075 C66.2@16.825,50 16.825,50.575 17.05,50.8 D7.3@17.05,51.45
  Top Layer w0.8: C65.2@11,48.6 11.75,47.85 L7.1@15,47.85
  other v1: 13.5,49.25 14.75,49.25 13,50.25 14.25,50.25 15.5,50.25 20.25,65.25 20.25,66.5 20.25,67.75 20.25,69
VCC_CH340: C39.1 C40.1 L15.2 U2.5 U2.19 | length 14.2
  Top Layer w0.254: C40.1@62.425,63.7 61.825,63.1 U2.5@61.825,61.625 61.825,59.525 63.775,57.575 U2.19@63.775,54.375 63.825,54.325 C39.1@63.825,52.3 L15.2@63.825,50.625
VCC_ESP32: C56.1 C59.1 L12.2 M1.2 R44.2 R45.2 R46.2 | length 60.7
  Top Layer w0.25: v2(69.525,38.6) R46.2@70.375,38.6 ; R44.2@86.65,26.175 86.675,26.2 L12.2@88.2,26.2 ; R45.2@87.45,23.275 89.25,23.275 89.275,23.3 ; v2(88.25,25) 88.3,25 88.85,25.55
  Top Layer w0.254: M1.2@83.75,11.75 M1.2@83.825,11.675
  Top Layer w0.5: M1.2@83.825,11.675 C56.1@86.5,11.675 C59.1@88.25,11.675
  Top Layer w0.8: L12.2@88.2,26.2 88.85,25.55 89.4,25 89.4,12.925 88.2,11.725 C59.1@88.25,11.675
  Signal Layer 2 w0.25: v2(69.525,38.6) 76.597,38.6 78.697,36.5 87.025,36.5 v2(89.125,38.6)
  Bottom Layer w0.25: v2(88.25,25) 88,25.25 88,31.55 89.125,32.675 v2(89.125,38.6)
VCC_IN: C88.2 J5.1 Q4.2 | length 17.2
  Top Layer w0.5: C88.2@34.9,54.525 34.9,56.9 J5.1@35,57
  Top Layer w1.5: Q4.2@22,57.5 Q4.2@24.75,60.25 ; Q4.2@24.8,58.45 26.25,57 J5.1@35,57
VCC_LCD: C41.2 C42.1 C86.1 J1.7 J1.8 J1.9 J1.35 J1.40 J1.41 J1.42 L10.2 P1.3 R37.2 R38.2 TP39.1 U5.1 U11.3 | length 79.8
  Top Layer w0.25: P1.3@3.175,22.7 7.5,22.7 8.35,21.85 R37.2@8.35,18 R38.2@8.35,16.25 8.375,16.225 8.375,12.85 9.15,12.075 ; U11.3@6.405,1.25 6.55,1.395 6.55,6.2 9.15,8.8 9.15,12.075 ; v2(11.45,13.15) U5.1@11.45,12.075 ; U5.1@11.475,12.05 U5.1@11.45,12.075 ; 9.15,12.075 U5.1@11.45,12.075
  Top Layer w0.254: J1.42@21,9.5 21,10.875 20.7,11.175 20.7,12.025 C42.1@21.25,12.575 ; J1.41@21.5,9.5 21.5,11.3 21.25,11.55 C42.1@21.25,12.575 ; v2(23.4,6.7) 23.4,7 ; J1.35@24.5,9.5 24.475,9.475 24.475,8.275 23.4,7.2 23.4,7 ; J1.9@37.5,9.5 37.5,10.269 37.706,10.475 38,10.475 ; v2(37.9,7.075) 38,7.175 J1.8@38,9.5 38,10.475 ; J1.7@38.5,9.5 38.5,10.3 38.325,10.475 38,10.475 ; C42.1@21.25,12.575 22,11.825 J1.40@22,9.5 22,8.4 23.4,7
  Top Layer w0.5: v2(18.85,12.575) C41.2@19.75,12.575 C42.1@21.25,12.575
  Signal Layer 2 w0.254: v2(23.4,6.7) 23.45,6.75 27.369,6.75 27.771,7.152 28.229,7.152 28.631,6.75 37.575,6.75 v2(37.9,7.075)
  Signal Layer 2 w0.5: v2(11.45,13.15) 12.15,12.45 18.725,12.45 v2(18.85,12.575)
  Bottom Layer w0.254: TP39.1@22.86,7.62 23.4,7.08 v2(23.4,6.7)
VCC_LED: C22.2 J1.1 U6.6 | length 6.4
  Top Layer w0.3: J1.1@41.5,9.5 45.8,9.5 C22.2@46,9.3
  Top Layer w0.5: C22.2@46,9.3 46.15,9.45 U6.6@46.15,11.05
VCC_PCF: C80.1 L11.2 U10.5 | length 6.1
  Top Layer w0.3: U10.5@35.45,14.175 37.4,14.175 C80.1@37.5,14.075 38.075,14.075 38.625,14.625 38.625,17.025 L11.2@38.775,17.175
VCC_USB: C90.2 D3.4 J4.1 R59.2 U13.5 | length 8.6
  Top Layer w0.254: J4.1@46.8,64.6 46.8,63 D3.4@47,62.8
  Top Layer w0.4: D3.4@47,62.8 48.6,62.8 C90.2@48.775,62.625 ; U13.5@50.85,63.45 50.85,65.3 R59.2@51.05,65.5
  Top Layer w0.8: C90.2@48.775,62.625 50.625,62.625 50.85,62.85 U13.5@50.85,63.45
VS_CS: M1.23 TP22.1 U3.23 | length 26.9
  Top Layer w0.3: v2(54.105,37.528) 54.127,37.55 54.25,37.55 U3.23@54.25,36.475 ; v2(68.925,37.55) 69.55,36.925 69.55,32.825 70.305,32.07 M1.23@70.305,28.48
  Signal Layer 2 w0.3: v2(54.105,37.528) 54.252,37.675 62.813,37.675 62.96,37.528 v2@68.903,37.528
  Bottom Layer w0.3: v2(54.105,37.528) 54.577,38 TP22.1@55,38
VS_DCS: M1.29 TP21.1 U3.13 | length 28.3
  Top Layer w0.254: U3.13@59.25,36.475 v2(59.875,36.475)
  Top Layer w0.3: M1.29@65.75,21.91 68.835,21.91 v2(68.875,21.95)
  Signal Layer 2 w0.254: v2(59.875,36.475) 68.825,36.475 v2(68.85,36.45)
  Bottom Layer w0.254: v2(68.875,21.95) 69,21.825 TP21.1@69,21
  Bottom Layer w0.3: v2(68.85,36.45) 68.875,36.425 v2(68.875,21.95)
VS_DREQ: M1.5 TP23.1 U3.8 | length 49.4
  Top Layer w0.254: v1(58.975,33) U3.8@60.725,33 ; M1.5@83.75,15.56 85.69,15.56 v1(85.875,15.375)
  Signal Layer 2 w0.254: v1(58.975,33) 59.406,32.569 65.5,32.569 66.069,32 86.685,32 v1(87.007,31.678)
  Bottom Layer w0.254: v1(85.875,15.375) 85.952,15.452 85.952,30.727 86.975,31.75 87.007,31.718 v1(87.007,31.678)
VS_nRESET: R51.2 TP20.1 U3.3 U10.10 | length 45.5
  Top Layer w0.2: U10.10@35.45,17.425 v2(36.65,17.425) ; U3.3@60.725,30.5 61.798,30.5 63.148,29.15 v2(64.2,29.15)
  Signal Layer 2 w0.2: v2(36.65,17.425) v2(64.2,17.425)
  Bottom Layer w0.2: v2(64.2,29.15) v2(64.2,17.425) 64.625,17 TP20.1@65,17
pads on no net: D6.2 D7.2 D8.2 J1.39 J1.51 J1.52 J2.0 J2.5 J3.0 J3.4 J3.5 J3.S J4. J4.4 J5.3 M1.17 M1.18 M1.19 M1.20 M1.21 M1.22 M1.32 M2.4 U2.1 U2.2 U2.11 U2.12 U2.13 U2.14 U2.17 U2.18 U3.2 U3.9 U3.10 U3.27 U3.34 U4.4 U4.14 U5.7 U5.8 U5.9 U5.16 U6.4 U8.4 U10.3 U10.8 U10.13 U10.18 Z1.1 Z2.1 Z3.1 Z4.1

## Polygon pours and split planes (outlines as drawn)
GND on Signal Layer 1 "GND_L02_P004" (solid, remove dead copper, pour order 4): 11,0 11,4 47,4 47,0.175 64,0.175 64,9 90,9 90,70 0,70 0,0
AGND on Signal Layer 1 "AGND_L02_P000" (solid, remove dead copper, pour order 0): 50,15 64,15 64,30 50,30
GND on Top Layer "GND_L01_P003" (solid, remove dead copper, pour order 3): 11,0 11,4 47,4 47,0.175 64,0.175 64,9 90,9 90,70 0,70 0,0
AGND on Top Layer "AGND_L01_P002" (solid, remove dead copper, pour order 2): 50,15 64,15 64,30 50,30
GND on Signal Layer 2 "GND_L03_P005" (solid, remove dead copper, pour order 5): 11,0 11,4 47,4 47,0.175 64,0.175 64,9 90,9 90,70 0,70 0,0
GND on Bottom Layer "GND_L04_P006" (solid, remove dead copper, pour order 6): 11,0 11,4 47,4 47,0.175 64,0.175 64,9 90,9 90,70 0,70 0,0

## Other copper
Top Layer:
  region net NetC8_2: 36.025,30.95 36.05,30.975 36.05,32.65 35.7,32.65 35.15,32.1
  region net NetC8_2: 34.925,32.55 33.85,31.475 33.85,30.675 34.625,30.675 34.85,30.9
  region net VCC_20V: 24.475,28.1 23.875,28.1 23.65,28.325 23.65,28.925
  region net GND: 82.146,40.25 86.15,40.25 86.175,40.225 86,40.05 86,37.541 82.251,37.541 82.146,37.646
  region net NetC6_2: 24.625,30.6 27.175,30.6 28.45,31.875 28.45,35.05 26.175,35.05 26.125,35.1 26.075,35.05 26.075,31.475 25.975,31.375 24.625,31.375
  region net NetC7_2: 33.375,31.4 33.375,30.6 31.1,30.6 30.15,31.55 30.15,35.2 31.95,35.2 31.95,31.45 32,31.4
  region net NetC3_2: 23.425,29.975 22.775,30.625 22.775,31.775 23.5,31.775 24.125,31.15 24.125,29.675 24.025,29.575
  region net VCC_20V: 32.275,28.1 33.8,28.1 34.275,28.575 36.025,28.575 36.475,28.125 38.2,28.125 38.2,29.675 34.525,29.675 33.75,28.9 32.275,28.9
  region net VCC_20V: 25.7,28.1 25.7,28.9 24.225,28.9 23.125,30 19.2,30 19.2,28.8 21,28.8 21.125,28.925 23.45,28.925 24.275,28.1
  region net NetC8_2: 33.3,29.4 33.6,29.4 34.175,29.975 34.175,30.375 34.375,30.575 34.425,30.525 34.425,29.8 33.725,29.1 33.3,29.1
  region net VCC_20V_IN: 12.5,48 12.5,50.75 16,50.75 16,48
  region net VCC_20V_IN: 22.5,69.25 22.25,69.5 19.75,69.5 19.75,65 21,63.75 22.5,63.75
  region net VCC_20V: 12.25,45.25 17.5,45.25 17.5,43.25 12.25,43.25
  region net NetC3_2: 22.775,30.15 21.1,30.15 20.375,30.875 20.375,35.8 21.625,35.8 22.775,34.65
  region net NetC8_2: 33.85,29.45 33.85,30.675 34.65,31.475 35.025,31.475 35.05,31.45 35.05,29.8 34.425,29.8 33.725,29.1
  region net NetC3_2: 24.075,29.3 23.075,30.3 23.075,30.45 23.85,30.45 24.175,30.125 24.175,29.475 24.225,29.425
  text "APTUSTECH" at 89.65,56.95 h1.52 r90
  text "V1.0" at 88.125,53.25 h1.52 r90
  text "KARADIO WIRED" at 89.65,44.575 h1.52 r90
Signal Layer 2:
  region net VCC_20V_IN: 18.75,69.5 20.75,69.5 20.75,60 16.75,56 16.75,49.5 16,48.75 12.5,48.75 12.5,58.75 18.75,65
Bottom Layer:
  region net GND: 74,44 77,44 77,41 74,41
  region net VCC_20V: 11.25,28.5 15.75,28.5 15.75,32.25 11.25,32.25
  region net VCC_20V: 11.25,32.25 11.4,32.25 12.75,33.6 12.75,45.25 17.5,45.25 17.5,34 15.75,32.25

## Silkscreen, mask and mechanical layers (free items; w line width, h text height)
Top Solder:
  region: 40,60 40,58 41.5,58 41.5,60
  region: 89.775,44.45 88.625,44.45 88.625,56.35 89.775,56.35
  region: 87.1,53.15 88.225,53.15 88.225,56.325 87.1,56.325
  region: 89.775,56.825 88.625,56.825 88.625,66.075 89.775,66.075
Mechanical 2:
  lines w0.15: 0,0 0,70 90,70 90,9.5 64,9.5 64,0.175 ; 9.35,-3.05 9.35,0.875
  lines w0.2: 0,0 11,0 11,4 47,4 47,0.175 64,0.175
Mechanical 3:
  lines w0.1: 0,0 0,70 90,70 90,9.5 64,9.5 64,0 47,0 47,4 11,4 11,0 0,0

## Dimensions
9.35,-3.05 to 0,0 on Mechanical 2
45.5,64.6 to 0,70 on Mechanical 2
0,70 to 90,70 on Mechanical 2
35,63 to 0,70 on Mechanical 2
57,4.5 to 47,4 on Mechanical 2
84,43 to 90,70 on Mechanical 2
84,43 to 90,9.5 on Mechanical 2
90,9.5 to 85.25,0 on Mechanical 2
11,0 to 11,4 on Mechanical 2
64,0.175 to 90,9.5 on Mechanical 2
47,4 to 64,0.175 on Mechanical 2
11,0 to 47,0.175 on Mechanical 2
0,0 to 47,0.175 on Mechanical 2
0,0 to 11,4 on Mechanical 2
4,66 to 0,70 on Mechanical 2
4,66 to 0,70 on Mechanical 2
4,12 to 0,0 on Mechanical 2
4,12 to 0,0 on Mechanical 2
90,70 to 0,0 on Mechanical 2
0,70 to 90,70 on Mechanical 3
0,70 to 0,0 on Mechanical 3
11,0 to 11,4 on Mechanical 3
0,0 to 11,0 on Mechanical 3
11,0 to 47,0 on Mechanical 3
47,0 to 64,0 on Mechanical 3
64,0 to 90,9.5 on Mechanical 3
64,9.5 to 66,0 on Mechanical 3

## Text inside footprints (layer, text, board x,y; h text height)
J4: Mechanical 15 "PCB Edge" at 47.4,69.9 h1 r180